# Altium PCB MBoard.PcbDoc (part 2 of 2)
Units mm, origin at the board's own origin, x right, y up, seen from the top; angles counter-clockwise.
Board outline 108 x 160 mm, 4 copper layers (Top Layer, Ground Plane, Power Plane, Bottom Layer), stack 0.614 mm thick; 201 components, 150 nets, 885 pads, 306 vias.
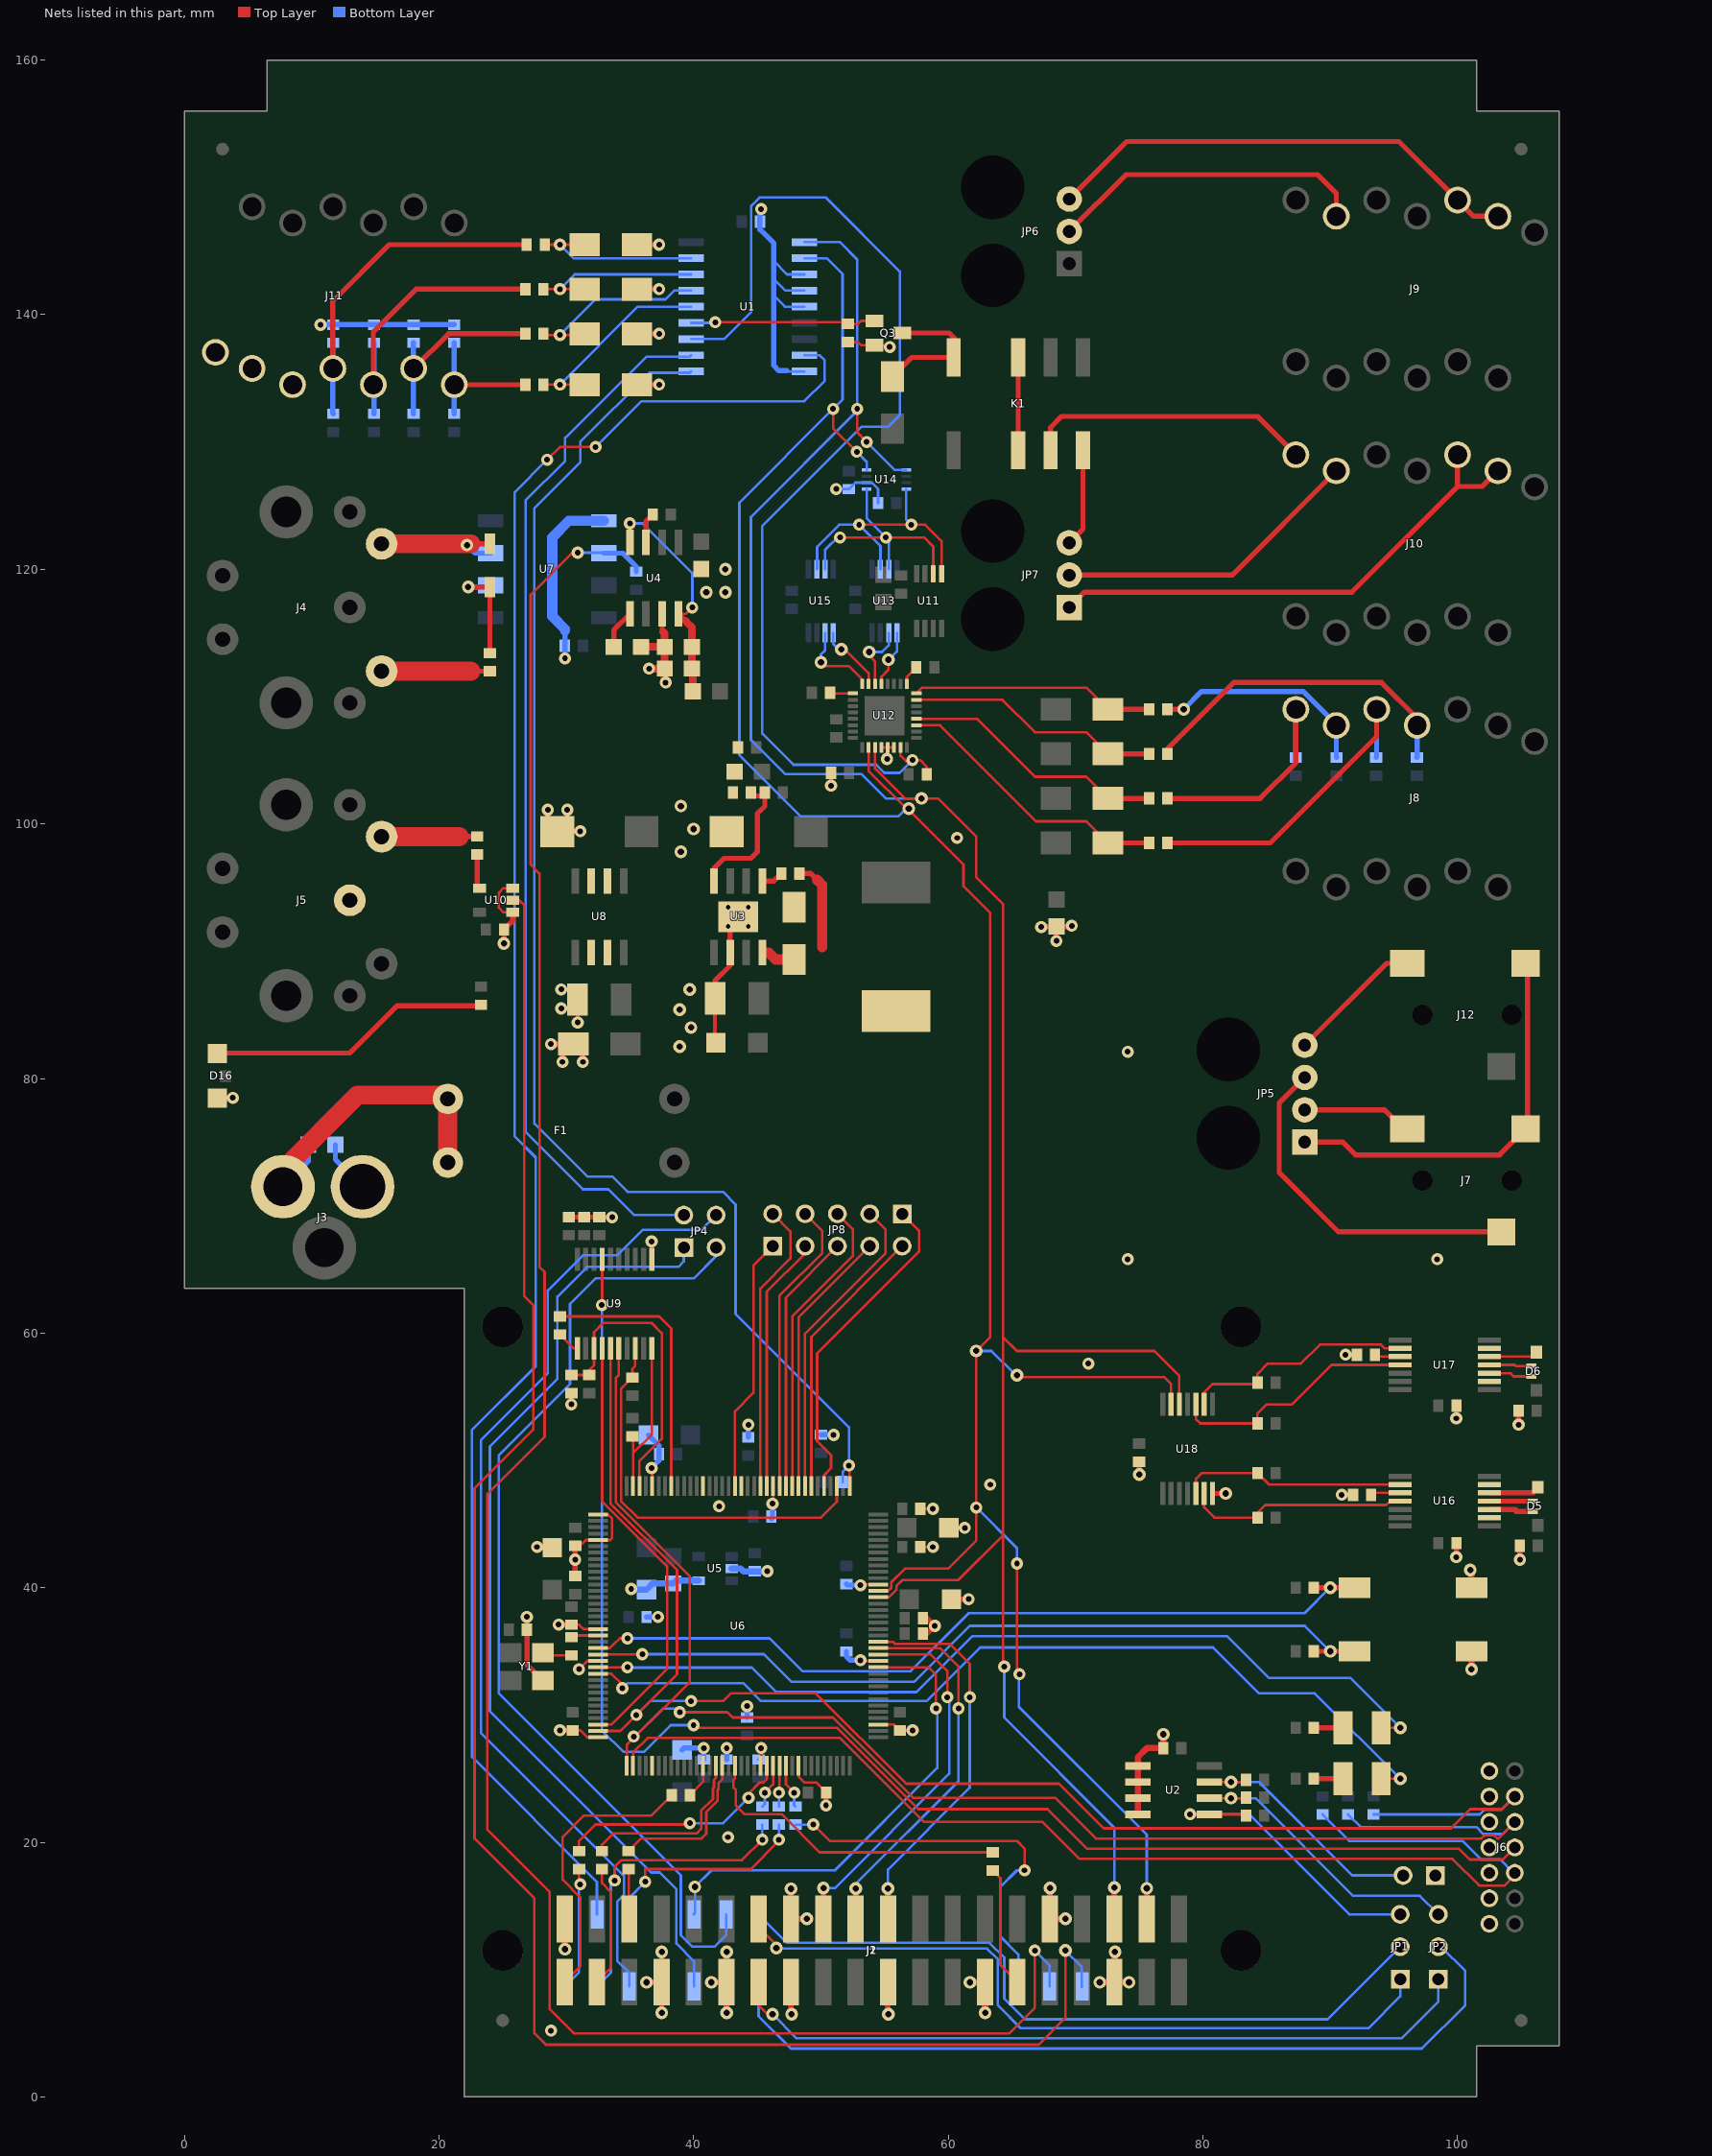
[diagram p4: the nets of this part, all layers, seen from the top]

## Via types
v1: diameter 0.95, hole 0.45, Top Layer to Bottom Layer, 110 vias
v2: diameter 1, hole 0.5, Top Layer to Bottom Layer, 80 vias
v3: diameter 0.95, hole 0.45, Top Layer to Bottom Layer, tented top, 53 vias
v4: diameter 0.95, hole 0.45, Top Layer to Bottom Layer, tented bottom, 16 vias
v5: diameter 1, hole 0.5, Top Layer to Bottom Layer, tented both sides, 15 vias
v6: diameter 1, hole 0.5, Top Layer to Bottom Layer, tented top, 14 vias
v7: diameter 0.95, hole 0.45, Top Layer to Bottom Layer, tented both sides, 10 vias
v8: diameter 0.8, hole 0.35, Top Layer to Bottom Layer, 4 vias
v9: diameter 1, hole 0.5, Top Layer to Bottom Layer, tented bottom, 2 vias
v10: diameter 1.4, hole 0.7, Top Layer to Bottom Layer, 1 vias
v11: diameter 0.95/0.95 (per signal layer), hole 0.45, Top Layer to Bottom Layer, 1 vias

## Nets (pads, with @x,y where several pads share a name; then routed paths per layer and width w, separated by ;. In a path a pad name is that pad's centre, name@x,y a point inside that pad or via, vN(x,y) a via of type N, cw(c..) or ccw(c..) an arc to the next point about the centre after c; other vN are vias at no path point) (continued)
DGND: C1.2 C2.2 C4.2 C5.2 C6.2 C7.2 C8.2 C9.2 C10.2 C11.2 C12.2 C13.2 C14.2 C15.2 C16.2 C17.2 C18.2 C19.2 C20.2 C21.2 C22.2 C23.2 C24.2 C25.2 C26.2 C27.2 C28.2 C29.2 C30.2 C31.2 C32.2 C33.2 C34.2 C35.2 C36.2 C37.2 C38.2 C39.2 C40.2 C41.2 C42.1 C43.2 C44.2 C45.2 C46.2 C47.2 C48.2 C49.2 C54.2 C55.2 C57.2 C58.2 C59.2 C60.2 C61.2 C66.2 C67.2 C68.2 C69.2 C70.2 C71.1 D1.1 D7.1 D12.1 D13.1 D14.1 D15.1 D16.1 FB2.2 J1.6 J1.9 J1.14 J1.20 J1.25 J1.30 J1.34 J1.39 J2.6 J2.9 J2.14 J2.20 J2.25 J2.30 J2.34 J2.39 J3.1 J5.2 J6.1 J6.3 J6.5 J6.7 J6.9 J6.11 J6.13 J11.G J11.SB J11.ST JP3.1 Q3.2 R7.1 R22.2 R31.1 R32.1 R50.2 SW1.1 SW2.1 U1.3 U1.4 U1.5 U1.9 U2.1 U2.2 U2.3 U2.4 U3.6 U3.9 U4.3 U5.2 U5.4 U6.3 U6.13 U6.25 U6.49 U6.54 U6.60 U6.68 U6.73 U6.77 U6.91 U6.96 U6.108 U6.113 U6.130 U6.136 U7.5 U8.2 U8.3 U8.6 U8.7 U9.11 U10.1 U10.3 U12.28 U12.29 U12.30 U14.2 U16.2 U16.6 U17.2 U17.6 U18.7 Y1.2 | length 277
  Top Layer w0.2: U10.1@25.8,93.05 25.05,93.05 24.7,93.4 24.7,94.6 25.05,94.95 U10.3@25.8,94.95 ; C34.2@30.4,37.089 31.011,37.089 31.35,36.75 U6.91@32.5,36.75 ; C20.2@30.5,28.789 31.111,28.789 31.65,28.25 U6.108@32.5,28.25 ; C21.2@30.7,43.289 31.089,43.289 31.55,43.75 U6.77@32.5,43.75 33.45,43.75 33.6,43.9 33.6,45.429 33.279,45.75 U6.73@32.5,45.75 ; v3(31,33.6) 31.65,34.25 U6.96@32.5,34.25 ; v3(36.7,49.4) 36.75,49.35 U6.68@36.75,48 ; U6.130@45.25,26 45.3,26.05 45.3,27.392 v7(45.308,27.4) ; v3(46.2,46.6) 46.25,46.65 U6.49@46.25,48 ; U6.136@48.25,26 48.25,25.15 48.7,24.7 49.611,24.7 C18.2@50.411,23.9 ; R50.2@52.106,137.847 52.907,137.847 53.146,137.608 Q3.2@54.206,137.608 55.256,137.608 v3(55.406,137.458) ; v3(53.1,34.3) 53.15,34.25 U6.13@54.5,34.25 ; v3(53.1,40.2) 53.15,40.25 U6.25@54.5,40.25 ; U6.3@54.5,29.25 55.739,29.25 C29.2@56.2,28.789 57.189,28.789 v1(57.2,28.8) ; U12.28@54.75,106 U12.29@55.25,106 ; v3(55.2,105.1) 55.25,105.15 U12.29@55.25,106 ; U12.30@55.75,106 U12.29@55.25,106 ; C27.2@57.811,43.2 v1(58.8,43.2) ; C32.2@57.811,46.2 v1(58.8,46.2) ; C30.2@60.051,44.7 v1(61.3,44.7)
  Top Layer w0.3: v1(29.6,85.5) C13.2@30.886,85.5 ; v1(29.6,87) 30.886,87 C13.2@30.886,86.2 ; v3(30.4,54.4) R22.2@30.4,55.289 ; v3(30.9,84.4) C13.2@30.9,85.686 ; v3(36.7,67.2) 36.725,67.175 U9.11@36.725,65.8 ; C6.2@41.685,86.3 41.685,82.864 C5.2@41.749,82.8 ; C49.2@50.789,104 50.789,103.011 v3(50.8,103)
  Top Layer w0.4: v2@25.1,90.8 25.111,90.811 C71.1@25.111,91.7 25.8,92.389 U10.1@25.8,93.05 ; v3(26.9,37.7) 26.911,37.689 C14.2@26.911,36.7 26.911,33.959 Y1.2@28.17,32.7 ; v1(27.7,43.2) 27.749,43.151 C19.2@28.9,43.151 ; C47.2@28.55,99.4 28.55,101.098 v1(28.552,101.1) ; C47.2@29.35,99.425 v1(31.1,99.425) ; v3(29.4,37.1) 29.411,37.089 C34.2@30.4,37.089 ; v1(29.5,28.8) 29.511,28.789 C20.2@30.5,28.789 ; J2.39@29.87,13.975 29.87,11.63 v5(29.9,11.6) ; C47.2@30.048,99.502 C47.2@30.125,99.425 ; C47.2@30.073,99.4 30.073,101.098 v1(30.075,101.1) ; C44.2@30.2,69.111 C45.2@31.4,69.111 C46.2@32.6,69.111 33.589,69.111 v1(33.6,69.1) ; C22.2@30.7,40.911 v3(30.7,42.2) C21.2@30.7,43.289 ; D12.1@35.55,134.5 v1(37.3,134.5) ; D14.1@35.55,138.5 v1(37.3,138.5) ; D13.1@35.55,142 v1(37.3,142) ; D15.1@35.55,145.5 v1(37.3,145.5) ; v5(36.3,9) 36.325,9.025 J2.34@37.49,9.025 ; v2(37.5,6.6) 37.49,6.61 J2.34@37.49,9.025 ; v5(37.5,11.4) 37.49,11.39 J2.34@37.49,9.025 ; U4.3@37.535,116.5 37.535,115.165 37.6,115.1 ; v5(41.4,9) 41.425,9.025 J2.30@42.57,9.025 ; C6.2@41.685,86.3 41.685,87.685 42.865,88.865 42.865,92.065 U3.9@43.5,92.7 ; v2(42.6,6.6) 42.57,6.63 J2.30@42.57,9.025 ; v5(42.6,11.4) 42.57,11.37 J2.30@42.57,9.025 ; v2(47.65,16.35) 47.65,14.075 47.7,14.025 J2.25@47.65,13.975 48.875,13.975 v5(48.9,14) ; v3(50.4,22.9) 50.411,22.911 C18.2@50.411,23.9 ; v2@55.27,6.5 J2.20@55.27,9.025 ; C28.2@58.011,36.4 58.35,36.4 v1(58.95,37) 58.35,37.6 C31.2@58.011,37.6 ; C26.2@60.251,39.1 v1(61.6,39.1) ; v1(67.3,91.9) 67.333,91.933 FB2.2@68.5,91.933 ; v2(68,16.4) 67.97,16.37 J2.9@67.97,13.975 69.175,13.975 v5(69.2,14) ; v1(68.5,90.8) FB2.2@68.5,91.933 ; v1(69.7,92) 69.633,91.933 FB2.2@68.5,91.933 ; v2(75,48.9) C70.2@75,49.889 ; U18.7@80.75,47.4 v6(81.8,47.4) ; v1(90.9,47.3) R31.1@91.789,47.3 ; v1(91.2,58.3) R32.1@92.089,58.3 ; v3(99.9,42.4) 99.911,42.411 C57.2@99.911,43.5 ; v3(99.9,53.3) 99.911,53.311 C59.2@99.911,54.3 ; C60.2@104.789,53.9 104.789,52.811 v3(104.8,52.8) ; C58.2@104.889,43.3 104.889,42.211 v3(104.9,42.2)
  Top Layer w0.5: D16.1@2.6,78.45 3.774,78.45 v1(3.81,78.486) ; v1(28.8,82.7) D7.1@30.05,82.7 ; v1(29.7,81.3) 29.7,81.85 D7.1@30.55,82.7 ; D7.1@30.05,83.2 D7.1@30.55,82.7 ; v1(31.3,81.3) 31.3,81.95 D7.1@30.55,82.7 ; v5(61.7,9) 61.725,9.025 J2.14@62.89,9.025 62.89,6.61 v2(62.9,6.6) ; v5(71.9,9) 71.925,9.025 J2.6@73.05,9.025 ; J2.6@72.825,8.8 J2.6@73.05,9.025 ; v5(73.1,11.4) 73.1,9.075 J2.6@73.05,9.025 ; v5(74.2,9) 74.175,9.025 J2.6@73.05,9.025 ; U2.4@74.9,22.195 U2.3@74.9,23.465 U2.2@74.9,24.735 U2.1@74.9,26.005 74.9,26.7 75.6,27.4 C2.2@76.889,27.4 v6(76.889,28.489) ; v2(101,41.4) 101,41.5 101.1,41.4 SW2.1@101.1,40 ; v2(101.1,33.6) SW1.1@101.1,35
  Top Layer w0.6: C12.2@35.867,113.9 C11.2@37.733,113.9 ; v3(36.5,112.2) C10.2@37.733,112.2 ; 37.6,115.1 37.733,114.967 C11.2@37.733,113.9 ; v1(37.8,111.1) 37.733,111.167 C10.2@37.733,112.2 ; C10.2@37.733,112.2 C11.2@37.733,113.9
  Bottom Layer w0.2: C16.2@45.1,26.511 45.308,26.719 v7(45.308,27.4) ; 46.3,141.5 47.18,140.62 U1.5@48.7,140.62 ; 46.3,142.8 47.21,141.89 U1.4@48.7,141.89 ; 46.3,144.2 47.34,143.16 U1.3@48.7,143.16 ; 47.3,135.6 47.36,135.54 U1.9@48.7,135.54 ; v1@50.989,52.011 v1(51,52) ; v1(51.2,126.3) 51.211,126.289 C54.2@52.2,126.289 52.711,126.8 U14.2@53.6,126.8 54,126.8 54.5,126.3 54.489,126.289 C55.2@54.489,125.2
  Bottom Layer w0.4: v1(10.7,139.2) 10.711,139.211 C69.2@11.7,139.211 C67.2@14.9,139.211 C68.2@18,139.211 C66.2@21.2,139.211 ; C61.2@11.867,74.8 11.867,73.633 J3.1@14,71.5 ; J1.39@29.5,14.755 29.9,14.355 J1.39@29.87,14.325 ; J1.39@29.545,14 J1.39@29.87,14.325 ; v5(29.9,11.6) 29.9,14.295 J1.39@29.87,14.325 ; v4(29.9,113) 29.889,113.011 C42.1@29.889,114 29.9,114.011 29.9,115.2 ; v5(36.3,9) 37.165,9 J1.34@37.49,8.675 ; C40.2@36.311,37.7 v3(37.2,37.7) ; C23.2@36.449,52 37.289,51.16 C24.2@37.289,50.5 37.289,49.989 v3(36.7,49.4) ; v2(37.5,6.6) 37.49,6.61 J1.34@37.49,8.675 ; v5(37.5,11.4) 37.5,8.685 J1.34@37.49,8.675 ; C15.2@39.1,27.251 39.249,27.4 v3(40.8,27.4) C35.2@40.8,26.511 ; v5(41.4,9) 42.245,9 J1.30@42.57,8.675 ; v2(42.6,6.6) 42.6,8.645 J1.30@42.57,8.675 ; v5(42.6,11.4) 42.6,8.705 J1.30@42.57,8.675 ; C17.2@42.6,26.511 v3(42.6,27.4) ; C41.2@44.2,29.811 v3(44.2,30.7) ; C33.2@44.3,51.811 v1(44.3,52.8) ; v4(45.3,148.3) 45.211,148.211 C1.2@45.211,147.3 45.211,146.689 46.3,145.6 46.3,144.2 46.3,142.8 46.3,141.5 46.3,136 46.7,135.6 47.3,135.6 ; C39.2@46.111,45.4 46.2,45.489 v3(46.2,46.6) ; v2(47.65,16.35) J1.25@47.65,14.325 47.975,14 v5(48.9,14) ; C25.2@50,52.011 v1@50.989,52.011 ; C37.2@52,34.989 52,34.6 52.3,34.3 v3(53.1,34.3) ; C38.2@52,40.289 52.089,40.2 v3(53.1,40.2) ; J1.20@55.27,8.675 55.27,6.53 v2(55.3,6.5) ; v2(68,16.4) 68,14.355 J1.9@67.97,14.325 68.295,14 v5(69.2,14)
  Bottom Layer w0.5: v3(35.1,39.9) 35.151,39.849 C36.2@36.3,39.849 36.784,40.333 C9.2@38.4,40.333 38.617,40.55 U5.4@40.4,40.55 ; U5.2@43,41.5 43.7,41.5 43.911,41.289 C7.2@44.8,41.289 45.789,41.289 v7(45.8,41.3) ; v5(61.7,9) 62.565,9 J1.14@62.89,8.675 62.9,8.665 v2(62.9,6.6) ; v5(71.9,9) 72.725,9 J1.6@73.05,8.675 J1.6@73.1,8.725 ; v5(73.1,11.4) J1.6@73.1,8.725 ; v5(74.2,9) 73.375,9 J1.6@73.1,8.725
  Bottom Layer w0.8: 29.9,115.2 29.9,115.3 28.9,116.3 28.9,122.5 30.21,123.81 U7.5@32.95,123.81
  other v1: 28.8,5.2 42.7,20.4 63.3,48.1 71,57.6 74.1,65.8 98.4,65.8 74.1,82.1 60.7,98.9
  other v2: 38.9,82.5 39.8,84 38.9,85.4 39.7,87 25.1,90.6 39,97.8 40,99.6 39,101.4 41,118.2 42.5,118.2 42.5,120
  other v3: 42,46.4
  other v8: 42.7,91.95 44.3,91.95 42.7,93.45 44.3,93.45
EEPROM_SCL_MBOARD: JP2.3 R4.2 U2.6 | length 23
  Top Layer w0.2: U2.6@80.5,23.465 v6(82.2,23.465) 83.354,23.465 R4.2@83.389,23.5
  Bottom Layer w0.2: v6(82.2,23.465) 84.135,23.465 91.8,15.8 97.04,15.8 JP2.3@98.5,14.34
EEPROM_SCL_RPI: J1.28 JP2.2 | length 65.9
  Bottom Layer w0.2: J1.28@45.11,8.675 45.11,6.34 47.65,3.8 97.2,3.8 100.6,7.2 100.6,9.9 98.7,11.8 JP2.2@98.5,11.8
EEPROM_SDA_MBOARD: JP1.3 R2.2 U2.5 | length 24.2
  Top Layer w0.2: v1(79,22.2) 79,22.195 U2.5@80.5,22.195 83.294,22.195 R2.2@83.389,22.1
  Bottom Layer w0.2: v1(79,22.2) 83.64,22.2 91.5,14.34 JP1.3@95.5,14.34
EEPROM_SDA_RPI: J1.27 JP1.2 | length 58
  Bottom Layer w0.2: J1.27@45.11,14.325 47.335,12.1 63.25,12.1 64.4,10.95 64.4,7.731 66.031,6.1 89.8,6.1 JP1.2@95.5,11.8
FPGA_CCLK: R21.2 R22.1 U6.70 U9.3 | length 23.6
  Top Layer w0.2: R22.1@30.4,56.711 R21.2@31.8,56.711 31.8,57.1 32.175,57.475 U9.3@32.175,58.8 32.175,60.075 32.9,60.8 36.7,60.8 37.5,60 37.5,51.7 35.75,49.95 U6.70@35.75,48
FPGA_CLOCK: R9.2 U6.92 | length 2.2
  Top Layer w0.2: R9.2@30.4,36.111 30.539,36.25 U6.92@32.5,36.25
FPGA_DIN: R23.1 U6.65 | length 21.5
  Top Layer w0.2: R23.1@29.5,61.311 37.289,61.311 38.25,60.35 U6.65@38.25,48
FPGA_DONE_2: R24.2 U6.71 U9.10 | length 12.8
  Top Layer w0.2: R24.2@35.2,51.889 35.25,51.839 35.25,50.55 ; U6.71@35.25,48 35.25,50.55 ; U9.10@36.725,58.8 36.725,52.025 35.25,50.55
FPGA_HEADER1: JP8.1 U6.55 | length 20.1
  Top Layer w0.2: U6.55@43.25,48 43.25,53.85 44.7,55.3 44.7,65.31 JP8.1@46.22,66.83
FPGA_HEADER2: JP8.2 U6.51 | length 22.9
  Top Layer w0.2: U6.51@45.25,48 45.25,63.5 47.6,65.85 47.6,67.99 JP8.2@46.22,69.37
FPGA_HEADER3: JP8.3 U6.50 | length 20.1
  Top Layer w0.2: U6.50@45.75,48 45.75,63.25 48.76,66.26 JP8.3@48.76,66.83
FPGA_HEADER4: JP8.4 U6.48 | length 23.4
  Top Layer w0.2: U6.48@46.7,48.05 U6.48@46.75,48 46.75,62.95 50.1,66.3 50.1,68.03 JP8.4@48.76,69.37
FPGA_HEADER5: JP8.5 U6.47 | length 20.5
  Top Layer w0.2: U6.47@47.25,48 47.25,62.78 JP8.5@51.3,66.83
FPGA_HEADER6: JP8.6 U6.46 | length 23.8
  Top Layer w0.2: U6.46@47.75,48 47.75,61.3 52.5,66.05 52.5,68.17 JP8.6@51.3,69.37
FPGA_HEADER7: JP8.7 U6.45 | length 21.1
  Top Layer w0.2: U6.45@48.25,48 48.25,61.24 JP8.7@53.84,66.83
FPGA_HEADER8: JP8.8 U6.44 | length 24.5
  Top Layer w0.2: U6.44@48.75,48 48.75,59.95 55.081,66.281 55.081,68.129 JP8.8@53.84,69.37
FPGA_HEADER9: JP8.9 U6.43 | length 21.8
  Top Layer w0.2: U6.43@49.25,48 49.25,59.7 JP8.9@56.38,66.83
FPGA_HEADER10: JP8.10 U6.41 | length 25.9
  Top Layer w0.2: U6.41@50.25,48 50.25,48.85 50.8,49.4 50.8,50.4 49.7,51.5 49.7,58.4 57.7,66.4 57.7,68.05 JP8.10@56.38,69.37
FPGA_INIT_B: R25.2 U6.39 U9.8 | length 31.7
  Top Layer w0.2: U9.8@35.425,58.8 35.4,58.775 35.4,57.4 35.2,57.2 R25.2@35.2,56.511 34.3,55.611 34.3,46.795 35.595,45.5 50,45.5 51.25,46.75 U6.39@51.25,48
FPGA_NRESET: R57.1 U1.10 U6.37 | length 111.8
  Top Layer w0.2: v3(52.2,49.6) 52.25,49.55 U6.37@52.25,48
  Bottom Layer w0.2: U1.10@39.81,135.54 39.71,135.44 36.54,135.44 31.1,130 31.1,128.4 27.5,124.8 27.5,76.46 31.66,72.3 33.6,72.3 34.8,71.1 42.3,71.1 43.3,70.1 43.3,61.5 52.2,52.6 v3(52.2,49.6) 51.711,49.111 R57.1@51.711,48.3
FPGA_TCK: J6.6 R27.2 U6.109 U9.6 | length 126.6
  Top Layer w0.2: U9.6@34.125,58.8 34.125,56.725 33.9,56.5 33.9,46.7 39.7,40.9 39.7,32.6 35.4,28.3 v3(35.3,28.3) 35.3,28.2 34.75,27.65 U6.109@34.75,26 ; v3(38.916,30.216) 42.65,30.216 43.066,29.8 50.934,29.8 57.234,23.5 68.4,23.5 71.6,20.3 101.857,20.3 102.106,20.55 102.894,20.55 103.143,20.3 103.2,20.3 J6.6@104.5,21.6
  Bottom Layer w0.2: v3(35.3,28.3) 35.4,28.3 37.6,30.5 38.632,30.5 v3(38.916,30.216) ; R27.2@91.4,22.189 92.389,21.2 101.475,21.2 102.025,20.65 103.55,20.65 J6.6@104.5,21.6
FPGA_TDI: J6.10 R28.2 U6.110 | length 93.1
  Top Layer w0.2: U6.110@35.25,26 35.25,27.05 36.4,28.2 51.5,28.2 58.1,21.6 67.4,21.6 70.3,18.7 99.6,18.7 101.7,16.6 103.7,16.6 104.5,17.4 J6.10@104.5,17.6
  Bottom Layer w0.2: R28.2@89.4,22.189 91.489,20.1 100.4,20.1 101.85,18.65 103.35,18.65 104.4,17.6 J6.10@104.5,17.6
FPGA_TDO: U6.106 U9.4 | length 34.5
  Top Layer w0.2: U6.106@32.5,29.25 33.55,29.25 37.925,33.625 37.925,41.675 32.825,46.775 U9.4@32.825,58.8
FPGA_TMS: J6.4 R26.2 U6.107 U9.5 | length 122.6
  Top Layer w0.2: U6.107@32.5,28.75 34.25,28.75 v3(35.5,30) 38.7,33.2 38.7,41.395 33.475,46.62 U9.5@33.475,58.8 ; v3(39.8,31.1) 42.331,31.1 42.931,31.7 49.6,31.7 56.7,24.6 68.7,24.6 72.2,21.1 99.5,21.1 101,22.6 103.5,22.6 J6.4@104.5,23.6
  Bottom Layer w0.2: v3(35.5,30) 36.6,31.1 v3(39.8,31.1) ; R26.2@93.4,22.189 101.745,22.189 102.106,22.55 103.45,22.55 J6.4@104.5,23.6
GUITAR_IN: J10.TT K1.4 | length 22.6
  Top Layer w0.4: K1.4@68.04,129.355 68.04,131.14 68.9,132 84.3,132 J10.TT@87.3,129
GUITAR_LINE_IN: JP7.3 K1.5 | length 7.7
  Top Layer w0.4: JP7.3@69.5,122.08 70.58,123.16 K1.5@70.58,129.355
I2C_SCL: J1.5 J2.5 U1.1 U6.23 U12.27 U14.5 U18.12 | length 201
  Top Layer w0.2: v1(52.85,132.6) 52.85,130.75 v4(53.6,130) ; U12.27@54.25,106 54.25,104.35 56.6,102 v2(57.9,102) 59.2,102 62.2,99 62.2,95.8 64.3,93.7 64.3,59.7 ; U6.23@54.5,39.25 55.35,39.25 55.937,39.837 55.937,40.137 56.4,40.6 60.8,40.6 64.3,44.1 ; v1(64.4,33.8) 64.3,33.9 64.3,44.1 ; U18.12@78.15,54.4 78.15,56.65 76.2,58.6 65.4,58.6 64.3,59.7 ; 64.3,44.1 64.3,59.7
  Top Layer w0.4: J2.5@73.05,13.975 v2(73.05,16.45)
  Bottom Layer w0.2: U1.1@48.7,145.7 51.495,145.7 52.85,144.345 v1(52.85,132.6) ; v1@52.775,132.675 52.775,132.375 44.5,124.1 44.5,106.6 47.2,103.9 53.2,103.9 55.1,102 v2(57.9,102) ; v4(53.6,130) 55.8,127.8 U14.5@56.7,127.8 ; v1(64.4,33.8) 64.4,29.8 73.05,21.15 v2(73.05,16.45)
  Bottom Layer w0.4: J1.5@73.05,14.325 v2(73.05,16.45)
I2C_SCL_5V: U11.5 U13.2 U14.8 U15.2 | length 22.5
  Top Layer w0.2: v1(53,123.5) v4(57.1,123.5) 58.2,123.5 59.475,122.225 U11.5@59.475,119.65
  Bottom Layer w0.2: U15.2@49.675,120 49.7,120.025 49.7,121.763 51.438,123.5 v1(53,123.5) 54.675,121.825 U13.2@54.675,120 ; U14.8@56.7,126.3 56.7,123.9 v4(57.1,123.5)
I2C_SCL_5V_1: R60.2 U16.11 U18.6 | length 17.6
  Top Layer w0.2: U18.6@80.1,47.4 80.1,46.3 80.9,45.5 R60.2@84.289,45.5 84.289,45.889 84.9,46.5 94.396,46.5 94.696,46.8 U16.11@95.5,46.8
I2C_SCL_5V_2: R62.2 U17.11 U18.10 | length 19.7
  Top Layer w0.2: U18.10@79.45,54.4 79.45,53.25 79.799,52.9 R62.2@84.289,52.9 84.289,53.689 85,54.4 87,54.4 90.1,57.5 U17.11@95.5,57.5
I2C_SDA: J1.3 J2.3 U1.2 U6.24 U12.26 U14.4 U18.13 | length 200.9
  Top Layer w0.2: v1(50.963,132.6) 50.963,131.082 v4(52.822,129.222) ; U12.26@53.75,106 53.75,104.15 56.7,101.2 v2(56.9,101.2) 57.3,101.2 57.1,101 57.05,100.95 61.2,96.8 61.2,95.1 63.3,93 63.3,59.7 v2(62.2,58.6) v1(62.2,46.3) 62.2,43.7 60,41.5 56.6,41.5 55.525,40.425 55.525,39.996 55.279,39.75 U6.24@54.5,39.75 ; v1(65.4,41.9) 65.4,33.4 v1(65.6,33.2) ; v2(65.4,56.7) 65.55,56.55 76.95,56.55 77.5,56 U18.13@77.5,54.4
  Top Layer w0.4: J2.3@75.59,13.975 v2(75.59,16.39)
  Bottom Layer w0.2: U1.2@48.7,144.43 50.47,144.43 51.7,143.2 51.7,133.337 v1(50.963,132.6) 43.6,125.237 43.6,105.4 48.4,100.6 56.1,100.6 56.7,101.2 v2(56.9,101.2) ; v4(52.822,129.222) 53.6,128.444 U14.4@53.6,127.8 ; v1(62.2,46.3) 65.4,43.1 v1(65.4,41.9) ; v2(62.2,58.6) 63.4,58.6 65.3,56.7 v2(65.4,56.7) ; v1(65.6,33.2) 65.55,33.15 65.55,30.65 75.59,20.61 v2(75.59,16.39)
  Bottom Layer w0.4: J1.3@75.59,14.325 v2(75.59,16.39)
I2C_SDA_5V: U11.6 U13.3 U14.1 U15.3 | length 19.9
  Top Layer w0.2: v1(51.5,122.5) 58.1,122.5 58.825,121.775 U11.6@58.825,119.65
  Bottom Layer w0.2: U15.3@50.325,120 50.325,121.525 51.35,122.55 51.45,122.55 v1(51.5,122.5) ; U14.1@53.6,126.3 53.6,124 v1(55.1,122.5) 55.325,122.275 U13.3@55.325,120 U13.3@55.35,120.025
I2C_SDA_5V_1: R61.2 U16.9 U18.5 | length 17.8
  Top Layer w0.2: U18.5@79.45,47.4 79.45,48.55 79.9,49 R61.2@84.289,49 85.189,48.1 U16.9@95.5,48.1
I2C_SDA_5V_2: R63.2 U17.9 U18.9 | length 18.4
  Top Layer w0.2: U18.9@80.1,54.4 80.1,55.35 80.75,56 84.189,56 R63.2@84.289,56.1 84.289,56.789 85.1,57.6 87.7,57.6 89.2,59.1 94,59.1 94.3,58.8 U17.9@95.5,58.8
JTAG_TDO: J6.8 U9.17 | length 115
  Top Layer w0.2: v3(32.8,62.2) 32.825,62.225 U9.17@32.825,65.8 ; v3(40,29.2) 40.2,29 51.239,29 57.639,22.6 67.8,22.6 70.9,19.5 100.1,19.5 100.95,18.65 103.55,18.65 J6.8@104.5,19.6
  Bottom Layer w0.2: v3(32.8,62.2) 32.8,28.8 34.5,27.1 36.1,27.1 38.2,29.2 v3(40,29.2)
LED_USER_1: D3.2 U6.98 | length 71.9
  Top Layer w0.2: U6.98@32.5,33.25 33.55,33.25 34.4,32.4 v3(34.4,32.1) ; D3.2@94,25 v2(95.5,25)
  Bottom Layer w0.2: v3(34.4,32.1) 34.8,32.5 43.9,32.5 45.3,31.1 58.3,31.1 62.5,35.3 80.8,35.3 84.4,31.7 88.8,31.7 v2(95.5,25)
LED_USER_2: D2.2 U6.97 | length 70.1
  Top Layer w0.2: U6.97@32.5,33.75 v3(34.8,33.75) ; D2.2@94,29 v2(95.5,29)
  Bottom Layer w0.2: v3@34.777,33.702 34.8,33.725 44.575,33.725 46.5,31.8 57.5,31.8 61.9,36.2 81.9,36.2 85.2,32.9 91.6,32.9 v2(95.5,29)
MCP_INT: J1.37 U1.8 | length 149.9
  Top Layer w0.2: v1(28.5,128.6) 29.5,129.6 v1(32.3,129.6)
  Bottom Layer w0.2: v1(28.5,128.6) 25.945,126.045 25.945,75.455 27.6,73.8 27.6,57.4 22.6,52.4 22.6,26.7 32.41,16.89 J1.37@32.41,14.325 ; v1(32.3,129.6) 35.9,133.2 48.7,133.2 50.3,134.8 50.3,136.4 49.89,136.81 U1.8@48.7,136.81
NetC3_1: C3.1 U3.1 | length 1.7
  Top Layer w0.4: U3.1@45.405,95.5 46.289,95.5 C3.1@46.889,96.1
NetC3_2: C3.2 D1.2 L1.1 U3.8 | length 9.6
  Top Layer w0.4: C3.2@48.311,96.1 49.2,96.1 49.7,95.6
  Top Layer w0.8: U3.8@45.6,89.9 45.9,89.9 46.45,89.35 D1.2@47.9,89.35 ; 49.7,95.6 50.1,95.2 50.1,90.3
NetC10_1: C10.1 C11.1 FB1.2 U4.4 U4.8 | length 18.6
  Top Layer w0.2: U4.8@34.995,122.1 34.995,123.595 v1(35,123.6) ; U4.4@38.805,116.5 39.4,116.5 v3(39.9,117)
  Top Layer w0.4: U4.4@38.805,116.5 39.403,115.903
  Top Layer w0.6: 39.403,115.903 39.867,115.438 C11.1@39.867,113.9 C10.1@39.867,112.2 ; FB1.2@39.933,110.4 C10.1@39.933,112.134
  Top Layer w0.8: C10.1@39.867,112.2 C10.1@39.933,112.134
  Bottom Layer w0.2: v1(35,123.6) 36,123.6 39.9,119.7 v3(39.9,117)
NetC12_1: C12.1 U4.1 | length 3.1
  Top Layer w0.4: C12.1@33.733,113.9 33.733,115.238 U4.1@34.995,116.5
NetC66_1: C66.1 J11.TT R29.2 R52.1 | length 11.2
  Top Layer w0.4: J11.TT@21.2,134.5 R52.1@26.789,134.5
  Bottom Layer w0.4: R29.2@21.2,132.211 J11.TT@21.2,134.5 C66.1@21.2,137.789
NetC67_1: C67.1 J11.RT R30.2 R51.1 | length 23.1